# Altium PCB VHDCI_Carrier.PCBDOC (part 3 of 7)
Units mm, origin at the board's own origin, x right, y up, seen from the top; angles counter-clockwise.
Board outline 159.99 x 100 mm, 4 copper layers (TopLayer, Internal Plane 1, Internal Plane 2, BottomLayer), stack 1.622 mm thick; 102 components, 174 nets, 718 pads, 375 vias.
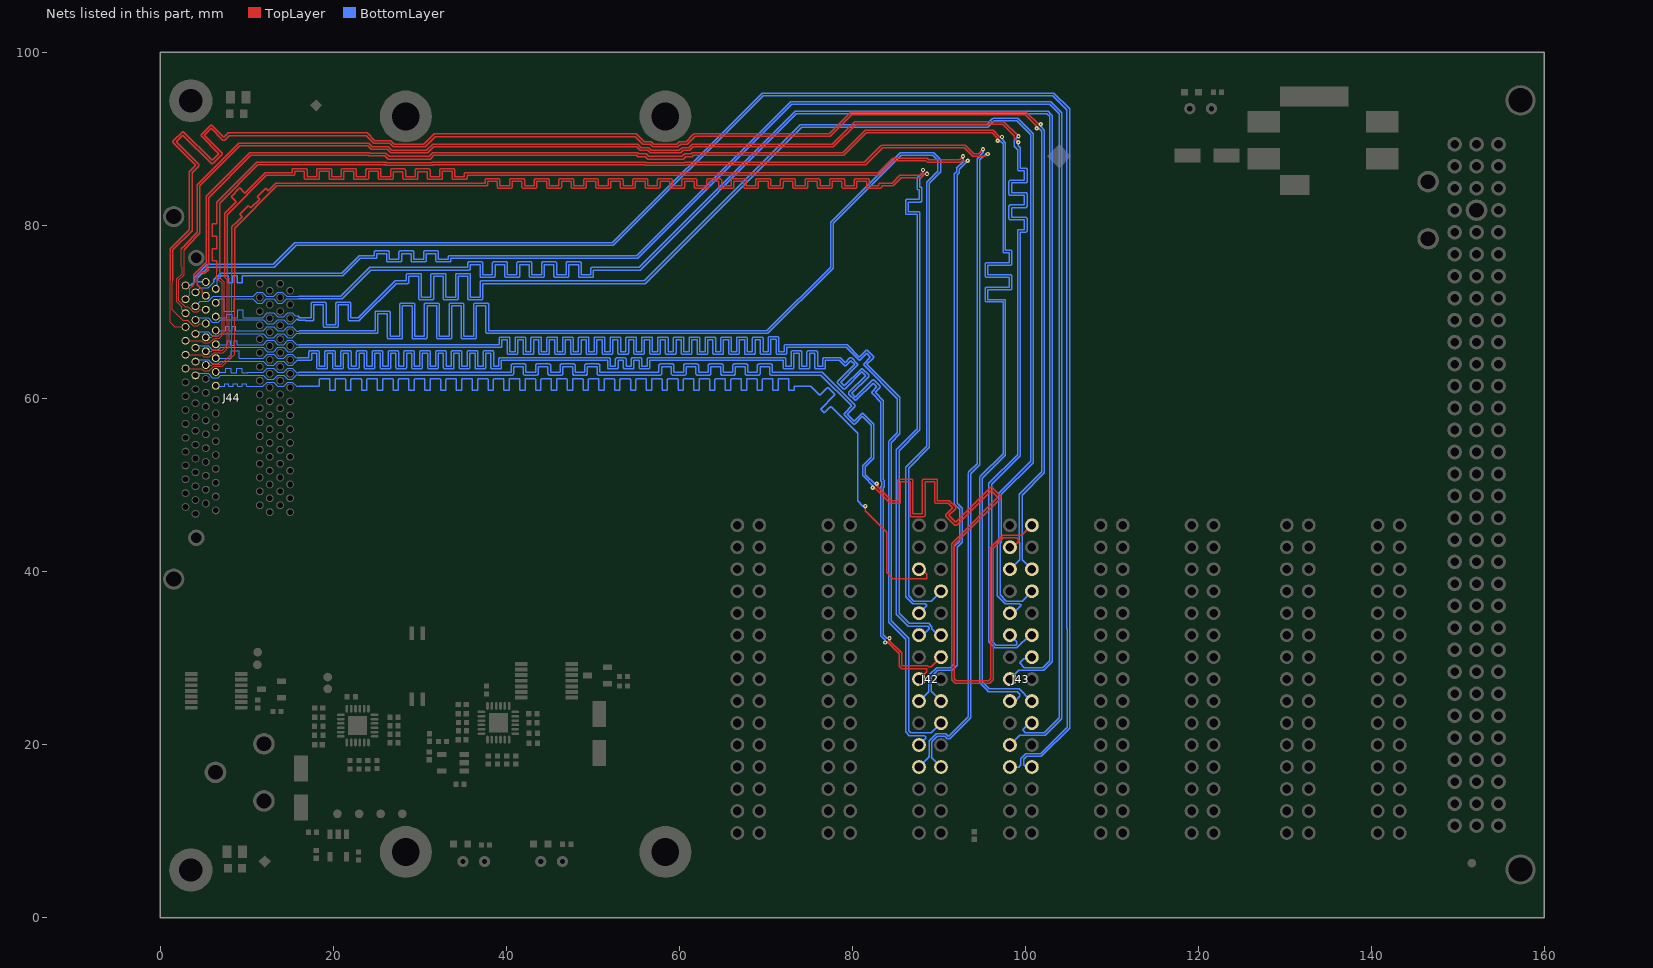
[diagram p5: the nets of this part, all layers, seen from the top]

## Via types
v1: diameter 0.5, hole 0.2, TopLayer to BottomLayer, tented both sides, 323 vias
v2: diameter 0.6, hole 0.3, TopLayer to BottomLayer, tented both sides, 52 vias

## Nets (pads, with @x,y where several pads share a name; then routed paths per layer and width w, separated by ;. In a path a pad name is that pad's centre, name@x,y a point inside that pad or via, vN(x,y) a via of type N, cw(c..) or ccw(c..) an arc to the next point about the centre after c; other vN are vias at no path point) (continued)
LVDS2_1_P: J42.5 J44.L19 | length 186.9
  TopLayer w0.152: v1(81.502,47.569) 81.502,47.029 84,44.531 84,39.9 84.7,39.2 88.6,39.2 88.6,39.7 88.024,40.276 J42.5@87.715,40.276
  BottomLayer w0.127: J44.L19@6.445,61.471 6.514,61.402 7.2,61.402 7.454,61.402 7.454,61.736 7.962,61.736 7.962,61.402 8.47,61.402 8.47,61.736 8.978,61.736 8.978,61.402 9.486,61.402 9.486,61.736 9.994,61.736 9.994,61.402 10.485,61.402 10.757,61.402 10.761,61.398 11.896,61.398 12.41,61.911 13.129,61.911 13.61,61.43 14.278,61.43 14.76,61.911 15.29,61.911 15.804,61.398 16.003,61.398 16.028,61.423
  BottomLayer w0.152: 16.028,61.423 18.405,61.423 18.405,62.16 cw(c18.557,62.16) 18.557,62.312 19.472,62.312 cw(c19.472,62.16) 19.624,62.16 19.624,60.936 20.234,60.936 20.234,62.16 cw(c20.386,62.16) 20.386,62.312 21.3,62.312 cw(c21.3,62.16) 21.453,62.16 21.453,60.936 22.062,60.936 22.062,62.16 cw(c22.215,62.16) 22.215,62.312 23.129,62.312 cw(c23.129,62.16) 23.282,62.16 23.282,60.936 23.891,60.936 23.891,62.16 cw(c24.044,62.16) 24.044,62.312 24.958,62.312 cw(c24.958,62.16) 25.11,62.16 25.11,60.936 25.72,60.936 25.72,62.16 cw(c25.872,62.16) 25.872,62.312 26.787,62.312 cw(c26.787,62.16) 26.939,62.16 26.939,60.936 27.549,60.936 27.549,62.16 cw(c27.701,62.16) 27.701,62.312 28.616,62.312 cw(c28.616,62.16) 28.768,62.16 28.768,60.936 29.378,60.936 29.378,62.16 cw(c29.53,62.16) 29.53,62.312 30.444,62.312 cw(c30.444,62.16) 30.597,62.16 30.597,60.936 31.206,60.936 31.206,62.16 cw(c31.359,62.16) 31.359,62.312 32.273,62.312 cw(c32.273,62.16) 32.426,62.16 32.426,60.936 33.035,60.936 33.035,62.16 cw(c33.188,62.16) 33.188,62.312 34.102,62.312 cw(c34.102,62.16) 34.254,62.16 34.254,60.936 34.864,60.936 34.864,62.16 cw(c35.016,62.16) 35.016,62.312 35.931,62.312 cw(c35.931,62.16) 36.083,62.16 36.083,60.936 36.693,60.936 36.693,62.16 cw(c36.845,62.16) 36.845,62.312 37.76,62.312 cw(c37.76,62.16) 37.912,62.16 37.912,60.936 38.522,60.936 38.522,62.16 cw(c38.674,62.16) 38.674,62.312 39.588,62.312 cw(c39.588,62.16) 39.741,62.16 39.741,60.936 40.35,60.936 40.35,62.16 cw(c40.503,62.16) 40.503,62.312 41.417,62.312 cw(c41.417,62.16) 41.57,62.16 41.57,60.936 42.179,60.936 42.179,62.16 cw(c42.332,62.16) 42.332,62.312 43.246,62.312 cw(c43.246,62.16) 43.398,62.16 43.398,60.936 44.008,60.936 44.008,62.16 cw(c44.16,62.16) 44.16,62.312 45.075,62.312 cw(c45.075,62.16) 45.227,62.16 45.227,60.936 45.837,60.936 45.837,62.16 cw(c45.989,62.16) 45.989,62.312 46.904,62.312 cw(c46.904,62.16) 47.056,62.16 47.056,60.936 47.666,60.936 47.666,62.16 cw(c47.818,62.16) 47.818,62.312 48.732,62.312 cw(c48.732,62.16) 48.885,62.16 48.885,60.936 49.494,60.936 49.494,62.16 cw(c49.647,62.16) 49.647,62.312 50.561,62.312 cw(c50.561,62.16) 50.714,62.16 50.714,60.936 51.323,60.936 51.323,62.16 cw(c51.476,62.16) 51.476,62.312 52.39,62.312 cw(c52.39,62.16) 52.542,62.16 52.542,60.936 53.152,60.936 53.152,62.16 cw(c53.304,62.16) 53.304,62.312 54.219,62.312 cw(c54.219,62.16) 54.371,62.16 54.371,60.936 54.981,60.936 54.981,62.16 cw(c55.133,62.16) 55.133,62.312 56.048,62.312 cw(c56.048,62.16) 56.2,62.16 56.2,60.936 56.81,60.936 56.81,62.16 cw(c56.962,62.16) 56.962,62.312 57.876,62.312 cw(c57.876,62.16) 58.029,62.16 58.029,60.936 58.638,60.936 58.638,62.16 cw(c58.791,62.16) 58.791,62.312 59.705,62.312 cw(c59.705,62.16) 59.858,62.16 59.858,60.936 60.467,60.936 60.467,62.16 cw(c60.62,62.16) 60.62,62.312 61.534,62.312 cw(c61.534,62.16) 61.686,62.16 61.686,60.936 62.296,60.936 62.296,62.16 cw(c62.448,62.16) 62.448,62.312 63.363,62.312 cw(c63.363,62.16) 63.515,62.16 63.515,60.936 64.125,60.936 64.125,62.16 cw(c64.277,62.16) 64.277,62.312 65.192,62.312 cw(c65.192,62.16) 65.344,62.16 65.344,60.936 65.954,60.936 65.954,62.16 cw(c66.106,62.16) 66.106,62.312 67.02,62.312 cw(c67.02,62.16) 67.173,62.16 67.173,60.936 67.782,60.936 67.782,62.16 cw(c67.935,62.16) 67.935,62.312 68.849,62.312 cw(c68.849,62.16) 69.002,62.16 69.002,60.936 69.611,60.936 69.611,62.16 cw(c69.764,62.16) 69.764,62.312 70.678,62.312 cw(c70.678,62.16) 70.83,62.16 70.83,60.936 71.44,60.936 71.44,62.16 cw(c71.592,62.16) 71.592,62.312 72.507,62.312 cw(c72.507,62.16) 72.659,62.16 72.659,60.936 73.269,60.936 73.269,61.271 cw(c73.421,61.271) 73.421,61.423 75.189,61.423 76.231,60.382 77.066,61.217 cw(c77.174,61.109) 77.282,61.216 77.928,60.57 ; 77.632,58.98 ccw(c77.524,58.873) 77.416,58.981 76.776,58.341 76.345,58.772 77.928,60.355 ccw(c77.82,60.462) 77.973,60.462 ccw(c77.82,60.462) 77.928,60.571 ; 77.632,58.981 80.605,56.008 80.605,48.196 81.232,47.569 v1(81.502,47.569)
  BottomLayer w0.254: J42.5@87.715,40.276 J42.5@88.024,40.276
LVDS2_2_N: J42.9 J44.L61 | length 189.3
  BottomLayer w0.127: J44.L61@4.095,67.471 4.335,67.711 5.56,67.711 6.041,67.23 6.71,67.23 6.991,67.511 11.928,67.511 12.41,67.03 13.128,67.03 13.61,67.511 14.278,67.511 14.76,67.03 15.29,67.03 15.804,67.544 16.003,67.544 16.066,67.48 16.104,67.519
  BottomLayer w0.152: 16.104,67.519 25.011,67.519 ccw(c25.011,67.671) 25.164,67.671 25.164,69.801 26.281,69.801 26.281,67.05 ccw(c26.434,67.05) 26.434,66.897 27.856,66.897 ccw(c27.856,67.05) 28.008,67.05 28.008,70.708 29.126,70.708 29.126,67.05 ccw(c29.278,67.05) 29.278,66.897 30.701,66.897 ccw(c30.701,67.05) 30.853,67.05 30.853,70.708 31.971,70.708 31.971,67.05 ccw(c32.123,67.05) 32.123,66.897 33.546,66.897 ccw(c33.546,67.05) 33.698,67.05 33.698,70.708 34.816,70.708 34.816,67.05 ccw(c34.968,67.05) 34.968,66.897 36.39,66.897 ccw(c36.39,67.05) 36.543,67.05 36.543,70.708 37.66,70.708 37.66,67.671 ccw(c37.813,67.671) 37.813,67.519 70.25,67.519 77.716,74.984 77.805,75.074 77.805,80.274 85.645,88.114 89.286,88.114 89.856,87.544 89.856,86.256 88.595,84.995 88.595,54.495 86.284,52.184 86.195,52.095 86.195,37.074 86.284,36.984 86.974,36.295 88.405,36.295 88.6,36.1 88.6,36.081 J42.9@87.715,35.196
LVDS2_2_P: J42.8 J44.L27 | length 189.4
  BottomLayer w0.127: J44.L27@6.445,67.871 6.485,67.83 7.4,67.83 7.591,67.83 7.591,68.336 7.972,68.336 7.972,67.83 8.353,67.83 8.353,68.336 8.734,68.336 8.734,67.83 8.9,67.83 11.929,67.83 12.41,68.311 13.129,68.311 13.61,67.83 14.279,67.83 14.76,68.311 15.29,68.311 15.804,67.798 16.003,67.798 16.066,67.861 16.104,67.823
  BottomLayer w0.152: 16.104,67.823 24.859,67.823 24.859,69.953 cw(c25.011,69.953) 25.011,70.106 26.434,70.106 cw(c26.434,69.953) 26.586,69.953 26.586,67.202 27.704,67.202 27.704,70.86 cw(c27.856,70.86) 27.856,71.012 29.278,71.012 cw(c29.278,70.86) 29.431,70.86 29.431,67.202 30.548,67.202 30.548,70.86 cw(c30.701,70.86) 30.701,71.012 32.123,71.012 cw(c32.123,70.86) 32.276,70.86 32.276,67.202 33.393,67.202 33.393,70.86 cw(c33.546,70.86) 33.546,71.012 34.968,71.012 cw(c34.968,70.86) 35.12,70.86 35.12,67.202 36.238,67.202 36.238,70.86 cw(c36.39,70.86) 36.39,71.012 37.813,71.012 cw(c37.813,70.86) 37.965,70.86 37.965,67.823 70.123,67.823 77.5,75.2 77.5,80.4 85.519,88.419 89.412,88.419 90.237,87.594 90.237,86.206 88.9,84.869 88.9,83.601 88.9,78.101 88.9,54.369 86.5,51.969 86.5,37.2 87.1,36.6 89.119,36.6 J42.8@90.255,37.736
LVDS2_3_N: J42.12 J44.L56 | length 187.7
  TopLayer w0.127: J44.L56@2.945,63.471 4.789,63.471 5.029,63.23 5.698,63.23 6.179,63.711 7.199,63.711 8.611,65.123 8.611,74.525 8.605,74.531
  TopLayer w0.152: 8.605,74.531 8.605,79.705 13.495,84.595 37.711,84.595 ccw(c37.711,84.748) 37.864,84.748 37.864,85.089 38.981,85.089 38.981,84.464 ccw(c39.134,84.464) 39.134,84.311 40.556,84.311 ccw(c40.556,84.464) 40.708,84.464 40.708,85.089 41.826,85.089 41.826,84.464 ccw(c41.978,84.464) 41.978,84.311 43.401,84.311 ccw(c43.401,84.464) 43.553,84.464 43.553,85.089 44.671,85.089 44.671,84.464 ccw(c44.823,84.464) 44.823,84.311 46.246,84.311 ccw(c46.246,84.464) 46.398,84.464 46.398,85.089 47.516,85.089 47.516,84.464 ccw(c47.668,84.464) 47.668,84.311 49.09,84.311 ccw(c49.09,84.464) 49.243,84.464 49.243,85.089 50.36,85.089 50.36,84.464 ccw(c50.513,84.464) 50.513,84.311 51.935,84.311 ccw(c51.935,84.464) 52.088,84.464 52.088,85.089 53.205,85.089 53.205,84.464 ccw(c53.358,84.464) 53.358,84.311 54.78,84.311 ccw(c54.78,84.464) 54.932,84.464 54.932,85.089 56.05,85.089 56.05,84.464 ccw(c56.202,84.464) 56.202,84.311 57.625,84.311 ccw(c57.625,84.464) 57.777,84.464 57.777,85.089 58.895,85.089 58.895,84.464 ccw(c59.047,84.464) 59.047,84.311 60.47,84.311 ccw(c60.47,84.464) 60.622,84.464 60.622,85.089 61.74,85.089 61.74,84.464 ccw(c61.892,84.464) 61.892,84.311 63.314,84.311 ccw(c63.314,84.464) 63.467,84.464 63.467,85.089 64.584,85.089 64.584,84.464 ccw(c64.737,84.464) 64.737,84.311 66.159,84.311 ccw(c66.159,84.464) 66.312,84.464 66.312,85.089 67.429,85.089 67.429,84.464 ccw(c67.582,84.464) 67.582,84.311 69.004,84.311 ccw(c69.004,84.464) 69.156,84.464 69.156,85.089 70.274,85.089 70.274,84.464 ccw(c70.426,84.464) 70.426,84.311 71.849,84.311 ccw(c71.849,84.464) 72.001,84.464 72.001,85.089 73.119,85.089 73.119,84.464 ccw(c73.271,84.464) 73.271,84.311 74.694,84.311 ccw(c74.694,84.464) 74.846,84.464 74.846,85.089 75.964,85.089 75.964,84.464 ccw(c76.116,84.464) 76.116,84.311 77.538,84.311 ccw(c77.538,84.464) 77.691,84.464 77.691,85.089 78.808,85.089 78.808,84.464 ccw(c78.961,84.464) 78.961,84.311 80.383,84.311 ccw(c80.383,84.464) 80.536,84.464 80.536,85.089 81.653,85.089 81.653,84.464 ccw(c81.806,84.464) 81.806,84.311 83.228,84.311 ccw(c83.228,84.464) 83.38,84.464 83.38,84.595 84.726,84.595 84.831,84.7 85.631,85.5 87.931,85.5 88.393,85.962 v1(88.638,85.962)
  BottomLayer w0.152: v1(88.638,85.962) 88.393,85.962 87.805,85.374 87.805,84.441 87.881,84.441 cw(c87.881,84.289) 88.033,84.289 88.033,82.866 cw(c87.881,82.866) 87.881,82.714 86.465,82.714 86.465,81.596 87.652,81.596 cw(c87.652,81.444) 87.805,81.444 87.805,56.399 85.4,53.994 85.4,35.184 86.58,34.005 88.826,34.005 89.205,33.626 89.205,33.4 89.949,32.656 J42.12@90.255,32.656
LVDS2_3_P: J42.11 J44.L22 | length 186.9
  TopLayer w0.127: J44.L22@5.295,63.871 5.98,63.871 6.074,63.965 7.094,63.965 8.294,65.165 8.294,74.588 8.3,74.595
  TopLayer w0.152: 8.3,74.595 8.3,79.831 8.984,80.516 9.487,81.018 9.207,81.299 10.213,82.305 10.493,82.024 11.499,83.03 11.218,83.311 12.224,84.316 12.505,84.036 12.834,84.366 13.369,84.9 37.559,84.9 37.559,85.241 cw(c37.711,85.241) 37.711,85.394 39.134,85.394 cw(c39.134,85.241) 39.286,85.241 39.286,84.616 40.404,84.616 40.404,85.241 cw(c40.556,85.241) 40.556,85.394 41.978,85.394 cw(c41.978,85.241) 42.131,85.241 42.131,84.616 43.248,84.616 43.248,85.241 cw(c43.401,85.241) 43.401,85.394 44.823,85.394 cw(c44.823,85.241) 44.976,85.241 44.976,84.616 46.093,84.616 46.093,85.241 cw(c46.246,85.241) 46.246,85.394 47.668,85.394 cw(c47.668,85.241) 47.82,85.241 47.82,84.616 48.938,84.616 48.938,85.241 cw(c49.09,85.241) 49.09,85.394 50.513,85.394 cw(c50.513,85.241) 50.665,85.241 50.665,84.616 51.783,84.616 51.783,85.241 cw(c51.935,85.241) 51.935,85.394 53.358,85.394 cw(c53.358,85.241) 53.51,85.241 53.51,84.616 54.628,84.616 54.628,85.241 cw(c54.78,85.241) 54.78,85.394 56.202,85.394 cw(c56.202,85.241) 56.355,85.241 56.355,84.616 57.472,84.616 57.472,85.241 cw(c57.625,85.241) 57.625,85.394 59.047,85.394 cw(c59.047,85.241) 59.2,85.241 59.2,84.616 60.317,84.616 60.317,85.241 cw(c60.47,85.241) 60.47,85.394 61.892,85.394 cw(c61.892,85.241) 62.044,85.241 62.044,84.616 63.162,84.616 63.162,85.241 cw(c63.314,85.241) 63.314,85.394 64.737,85.394 cw(c64.737,85.241) 64.889,85.241 64.889,84.616 66.007,84.616 66.007,85.241 cw(c66.159,85.241) 66.159,85.394 67.582,85.394 cw(c67.582,85.241) 67.734,85.241 67.734,84.616 68.852,84.616 68.852,85.241 cw(c69.004,85.241) 69.004,85.394 70.426,85.394 cw(c70.426,85.241) 70.579,85.241 70.579,84.616 71.696,84.616 71.696,85.241 cw(c71.849,85.241) 71.849,85.394 73.271,85.394 cw(c73.271,85.241) 73.424,85.241 73.424,84.616 74.541,84.616 74.541,85.241 cw(c74.694,85.241) 74.694,85.394 76.116,85.394 cw(c76.116,85.241) 76.268,85.241 76.268,84.616 77.386,84.616 77.386,85.241 cw(c77.538,85.241) 77.538,85.394 78.961,85.394 cw(c78.961,85.241) 79.113,85.241 79.113,84.616 80.231,84.616 80.231,85.241 cw(c80.383,85.241) 80.383,85.394 81.806,85.394 cw(c81.806,85.241) 81.958,85.241 81.958,84.616 83.076,84.616 83.076,84.748 cw(c83.228,84.748) 83.228,84.9 84.6,84.9 85.505,85.805 87.805,85.805 88.177,86.177 v1(88.177,86.423)
  BottomLayer w0.152: J42.11@87.715,32.656 88.156,32.656 88.9,33.4 88.9,33.5 88.7,33.7 86.453,33.7 85.184,34.969 85.095,35.058 85.095,54.12 85.184,54.21 87.5,56.525 87.5,81.292 86.312,81.292 cw(c86.312,81.444) 86.16,81.444 86.16,82.866 cw(c86.312,82.866) 86.312,83.019 87.729,83.019 87.729,84.136 87.652,84.136 cw(c87.652,84.289) 87.5,84.289 87.5,85.5 88.177,86.177 v1(88.177,86.423)
LVDS2_4_N: J42.15 J44.L57 | length 187.1
  TopLayer w0.152: v1(83.807,31.814) 84.081,31.814 85.4,30.495 85.4,29.069 85.584,28.884 85.674,28.795 88.574,28.795 88.584,28.784 88.584,28.446 J42.15@87.715,27.576
  BottomLayer w0.127: J44.L57@4.095,64.271 4.335,64.511 5.56,64.511 6.041,64.03 6.71,64.03 6.991,64.311 11.929,64.311 12.41,63.83 13.128,63.83 13.61,64.311 14.278,64.311 14.76,63.83 15.29,63.83 15.86,64.4
  BottomLayer w0.152: 15.86,64.4 17.357,64.4 ccw(c17.357,64.552) 17.51,64.552 17.51,65.207 18.119,65.207 18.119,63.582 ccw(c18.272,63.582) 18.272,63.43 19.186,63.43 ccw(c19.186,63.582) 19.338,63.582 19.338,65.207 19.948,65.207 19.948,63.582 ccw(c20.1,63.582) 20.1,63.43 21.015,63.43 ccw(c21.015,63.582) 21.167,63.582 21.167,65.207 21.777,65.207 21.777,63.582 ccw(c21.929,63.582) 21.929,63.43 22.844,63.43 ccw(c22.844,63.582) 22.996,63.582 22.996,65.207 23.606,65.207 23.606,63.582 ccw(c23.758,63.582) 23.758,63.43 24.672,63.43 ccw(c24.672,63.582) 24.825,63.582 24.825,65.207 25.434,65.207 25.434,63.582 ccw(c25.587,63.582) 25.587,63.43 26.501,63.43 ccw(c26.501,63.582) 26.654,63.582 26.654,65.207 27.263,65.207 27.263,63.582 ccw(c27.416,63.582) 27.416,63.43 28.33,63.43 ccw(c28.33,63.582) 28.482,63.582 28.482,65.207 29.092,65.207 29.092,63.582 ccw(c29.244,63.582) 29.244,63.43 30.159,63.43 ccw(c30.159,63.582) 30.311,63.582 30.311,65.207 30.921,65.207 30.921,63.582 ccw(c31.073,63.582) 31.073,63.43 31.988,63.43 ccw(c31.988,63.582) 32.14,63.582 32.14,65.207 32.75,65.207 32.75,63.582 ccw(c32.902,63.582) 32.902,63.43 33.816,63.43 ccw(c33.816,63.582) 33.969,63.582 33.969,65.207 34.578,65.207 34.578,63.582 ccw(c34.731,63.582) 34.731,63.43 35.645,63.43 ccw(c35.645,63.582) 35.798,63.582 35.798,65.207 36.407,65.207 36.407,63.582 ccw(c36.56,63.582) 36.56,63.43 37.474,63.43 ccw(c37.474,63.582) 37.626,63.582 37.626,65.207 38.236,65.207 38.236,63.582 ccw(c38.388,63.582) 38.388,63.43 39.303,63.43 ccw(c39.303,63.582) 39.455,63.582 39.455,64.4 51.718,64.4 51.718,63.582 ccw(c51.871,63.582) 51.871,63.43 52.785,63.43 ccw(c52.785,63.582) 52.938,63.582 52.938,64.4 53.547,64.4 53.547,63.582 ccw(c53.7,63.582) 53.7,63.43 54.614,63.43 ccw(c54.614,63.582) 54.766,63.582 54.766,64.4 55.376,64.4 55.376,63.582 ccw(c55.528,63.582) 55.528,63.43 56.443,63.43 ccw(c56.443,63.582) 56.595,63.582 56.595,64.4 72.018,64.4 72.018,63.582 ccw(c72.171,63.582) 72.171,63.43 73.085,63.43 ccw(c73.085,63.582) 73.238,63.582 73.238,65.207 73.847,65.207 73.847,63.582 ccw(c74,63.582) 74,63.43 74.914,63.43 ccw(c74.914,63.582) 75.066,63.582 75.066,65.207 75.676,65.207 75.676,63.582 ccw(c75.828,63.582) 75.828,63.43 76.743,63.43 ccw(c76.743,63.582) 76.895,63.582 76.895,64.4 78.5,64.4 79.073,63.827 ccw(c79.181,63.934) 79.289,63.827 ; 78.323,61.999 80.259,63.935 79.828,64.366 79.289,63.827 ; 78.323,61.999 ccw(c78.431,61.891) 78.323,61.783 78.969,61.136 ; 78.969,61.137 ccw(c79.077,61.244) 79.185,61.136 81.121,63.073 81.552,62.642 79.616,60.705 ccw(c79.724,60.598) 79.616,60.49 80.262,59.843 ccw(c80.37,59.951) 80.478,59.844 82.414,61.78 82.846,61.349 82.306,60.809 ; 82.307,60.81 ccw(c82.414,60.702) 82.306,60.594 83.3,59.6 83.3,50.506 83.403,50.403 83.403,49.922 83.3,49.819 83.3,32.549 83.395,32.454 83.807,32.042 v1(83.807,31.814)
LVDS2_4_P: J42.14 J44.L23 | length 186.7
  TopLayer w0.152: v1(84.3,32.3) 84.3,32.026 85.705,30.621 85.705,29.195 85.8,29.1 88.7,29.1 88.8,29 89.139,29 J42.14@90.255,30.116
  BottomLayer w0.127: J44.L23@6.445,64.671 6.485,64.63 6.991,64.63 7.8,64.63 8.244,64.63 8.244,65.531 9.133,65.531 9.133,64.63 9.8,64.63 11.929,64.63 12.41,65.111 13.129,65.111 13.61,64.63 14.278,64.63 14.76,65.111 15.29,65.111 15.697,64.705 15.875,64.705
  BottomLayer w0.152: 15.875,64.705 17.205,64.705 17.205,65.36 cw(c17.357,65.36) 17.357,65.512 18.272,65.512 cw(c18.272,65.36) 18.424,65.36 18.424,63.735 19.034,63.735 19.034,65.36 cw(c19.186,65.36) 19.186,65.512 20.1,65.512 cw(c20.1,65.36) 20.253,65.36 20.253,63.735 20.862,63.735 20.862,65.36 cw(c21.015,65.36) 21.015,65.512 21.929,65.512 cw(c21.929,65.36) 22.082,65.36 22.082,63.735 22.691,63.735 22.691,65.36 cw(c22.844,65.36) 22.844,65.512 23.758,65.512 cw(c23.758,65.36) 23.91,65.36 23.91,63.735 24.52,63.735 24.52,65.36 cw(c24.672,65.36) 24.672,65.512 25.587,65.512 cw(c25.587,65.36) 25.739,65.36 25.739,63.735 26.349,63.735 26.349,65.36 cw(c26.501,65.36) 26.501,65.512 27.416,65.512 cw(c27.416,65.36) 27.568,65.36 27.568,63.735 28.178,63.735 28.178,65.36 cw(c28.33,65.36) 28.33,65.512 29.244,65.512 cw(c29.244,65.36) 29.397,65.36 29.397,63.735 30.006,63.735 30.006,65.36 cw(c30.159,65.36) 30.159,65.512 31.073,65.512 cw(c31.073,65.36) 31.226,65.36 31.226,63.735 31.835,63.735 31.835,65.36 cw(c31.988,65.36) 31.988,65.512 32.902,65.512 cw(c32.902,65.36) 33.054,65.36 33.054,63.735 33.664,63.735 33.664,65.36 cw(c33.816,65.36) 33.816,65.512 34.731,65.512 cw(c34.731,65.36) 34.883,65.36 34.883,63.735 35.493,63.735 35.493,65.36 cw(c35.645,65.36) 35.645,65.512 36.56,65.512 cw(c36.56,65.36) 36.712,65.36 36.712,63.735 37.322,63.735 37.322,65.36 cw(c37.474,65.36) 37.474,65.512 38.388,65.512 cw(c38.388,65.36) 38.541,65.36 38.541,63.735 39.15,63.735 39.15,64.552 cw(c39.303,64.552) 39.303,64.705 51.871,64.705 cw(c51.871,64.552) 52.023,64.552 52.023,63.735 52.633,63.735 52.633,64.552 cw(c52.785,64.552) 52.785,64.705 53.7,64.705 cw(c53.7,64.552) 53.852,64.552 53.852,63.735 54.462,63.735 54.462,64.552 cw(c54.614,64.552) 54.614,64.705 55.528,64.705 cw(c55.528,64.552) 55.681,64.552 55.681,63.735 56.29,63.735 56.29,64.552 cw(c56.443,64.552) 56.443,64.705 72.171,64.705 cw(c72.171,64.552) 72.323,64.552 72.323,63.735 72.933,63.735 72.933,65.36 cw(c73.085,65.36) 73.085,65.512 74,65.512 cw(c74,65.36) 74.152,65.36 74.152,63.735 74.762,63.735 74.762,65.36 cw(c74.914,65.36) 74.914,65.512 75.828,65.512 cw(c75.828,65.36) 75.981,65.36 75.981,63.735 76.59,63.735 76.59,64.552 cw(c76.743,64.552) 76.743,64.705 78.626,64.705 79.181,64.15 79.72,64.689 cw(c79.828,64.582) 79.936,64.689 ; 79.936,64.689 80.583,64.043 cw(c80.475,63.935) 80.627,63.935 cw(c80.475,63.935) 80.583,63.827 78.646,61.891 79.077,61.46 81.014,63.396 cw(c81.121,63.288) 81.23,63.396 81.876,62.75 ; 81.875,62.75 cw(c81.768,62.642) 81.92,62.642 cw(c81.768,62.642) 81.876,62.534 79.939,60.598 80.37,60.167 82.307,62.103 cw(c82.414,61.995) 82.523,62.103 ; 82.522,62.103 83.169,61.456 cw(c83.061,61.349) 83.213,61.349 cw(c83.061,61.349) 83.169,61.241 82.629,60.702 83.605,59.726 83.605,50.632 83.708,50.529 83.708,49.796 83.605,49.693 83.605,32.675 83.987,32.293 84.215,32.293 v1@84.25,32.257
LVDS2_5_N: J42.18 J44.L58 | length 187.9
  TopLayer w0.127: J44.L58@2.945,65.071 4.789,65.071 5.029,64.83 5.698,64.83 6.179,65.311 7.275,65.311 8.002,66.038 8.002,73.843 7.773,74.071 7.773,74.652 7.767,74.658
  TopLayer w0.152: 7.767,74.658 7.767,81.267 12.3,85.8 15.411,85.8 ccw(c15.411,85.952) 15.564,85.952 15.564,86.276 16.681,86.276 16.681,85.472 ccw(c16.834,85.472) 16.834,85.32 18.256,85.32 ccw(c18.256,85.472) 18.408,85.472 18.408,86.276 19.526,86.276 19.526,85.472 ccw(c19.678,85.472) 19.678,85.32 21.101,85.32 ccw(c21.101,85.472) 21.253,85.472 21.253,86.276 22.371,86.276 22.371,85.472 ccw(c22.523,85.472) 22.523,85.32 23.946,85.32 ccw(c23.946,85.472) 24.098,85.472 24.098,86.276 25.216,86.276 25.216,85.472 ccw(c25.368,85.472) 25.368,85.32 26.79,85.32 ccw(c26.79,85.472) 26.943,85.472 26.943,86.234 28.06,86.234 28.06,85.472 ccw(c28.213,85.472) 28.213,85.32 29.635,85.32 ccw(c29.635,85.472) 29.788,85.472 29.788,86.234 30.905,86.234 30.905,85.472 ccw(c31.058,85.472) 31.058,85.32 32.48,85.32 ccw(c32.48,85.472) 32.632,85.472 32.632,86.276 33.75,86.276 33.75,85.472 ccw(c33.902,85.472) 33.902,85.32 35.325,85.32 ccw(c35.325,85.472) 35.477,85.472 35.477,85.8 83.131,85.8 84.816,87.484 88.516,87.484 88.6,87.4 88.689,87.311 92.542,87.311 92.631,87.4 93.263,87.4 v1(93.356,87.494)
  TopLayer w0.254: v1@93.182,87.494 v1(93.356,87.494)
  BottomLayer w0.152: J42.18@90.255,25.036 89.1,26.191 89.1,26.968 89.124,26.992 89.124,27.864 89.86,28.6 91.537,28.6 92.121,29.183 92.121,42.821 92.705,43.405 92.705,47.342 92.121,47.926 92.121,85.868 92.351,86.098 92.351,86.488 v1(93.356,87.494)
LVDS2_5_P: J42.17 J44.L24 | length 186.8
  TopLayer w0.127: J44.L24@5.295,65.471 5.98,65.471 6.074,65.565 7.17,65.565 7.748,66.143 7.748,73.738 7.456,74.03 7.456,74.715 7.462,74.722
  TopLayer w0.152: 7.462,74.722 7.462,81.393 8.3,82.231 8.803,82.734 8.206,83.331 9.212,84.337 9.809,83.74 10.734,84.666 12.174,86.105 15.259,86.105 15.259,86.428 cw(c15.411,86.428) 15.411,86.58 16.834,86.58 cw(c16.834,86.428) 16.986,86.428 16.986,85.624 18.104,85.624 18.104,86.428 cw(c18.256,86.428) 18.256,86.58 19.678,86.58 cw(c19.678,86.428) 19.831,86.428 19.831,85.624 20.948,85.624 20.948,86.428 cw(c21.101,86.428) 21.101,86.58 22.523,86.58 cw(c22.523,86.428) 22.676,86.428 22.676,85.624 23.793,85.624 23.793,86.428 cw(c23.946,86.428) 23.946,86.58 25.368,86.58 cw(c25.368,86.428) 25.52,86.428 25.52,85.624 26.638,85.624 26.638,86.386 cw(c26.79,86.386) 26.79,86.539 28.213,86.539 cw(c28.213,86.386) 28.365,86.386 28.365,85.624 29.483,85.624 29.483,86.386 cw(c29.635,86.386) 29.635,86.539 31.058,86.539 cw(c31.058,86.386) 31.21,86.386 31.21,85.624 32.328,85.624 32.328,86.428 cw(c32.48,86.428) 32.48,86.58 33.902,86.58 cw(c33.902,86.428) 34.055,86.428 34.055,85.624 35.172,85.624 35.172,85.952 cw(c35.325,85.952) 35.325,86.105 83.005,86.105 84.6,87.7 84.689,87.789 88.642,87.789 88.731,87.7 88.816,87.616 92.416,87.616 v1(92.8,88)